# Altium PCB PCB.PcbDoc
Units mm, origin at the board's own origin, x right, y up, seen from the top; angles counter-clockwise.
Board outline 82.55 x 56.77 mm, 4 copper layers (Top Layer, L2 - GND, L3 - POWER, Bottom Layer), stack 0.603 mm thick; 56 components, 32 nets, 200 pads, 35 vias.
Unrouted connection lines stored in the file: 5.
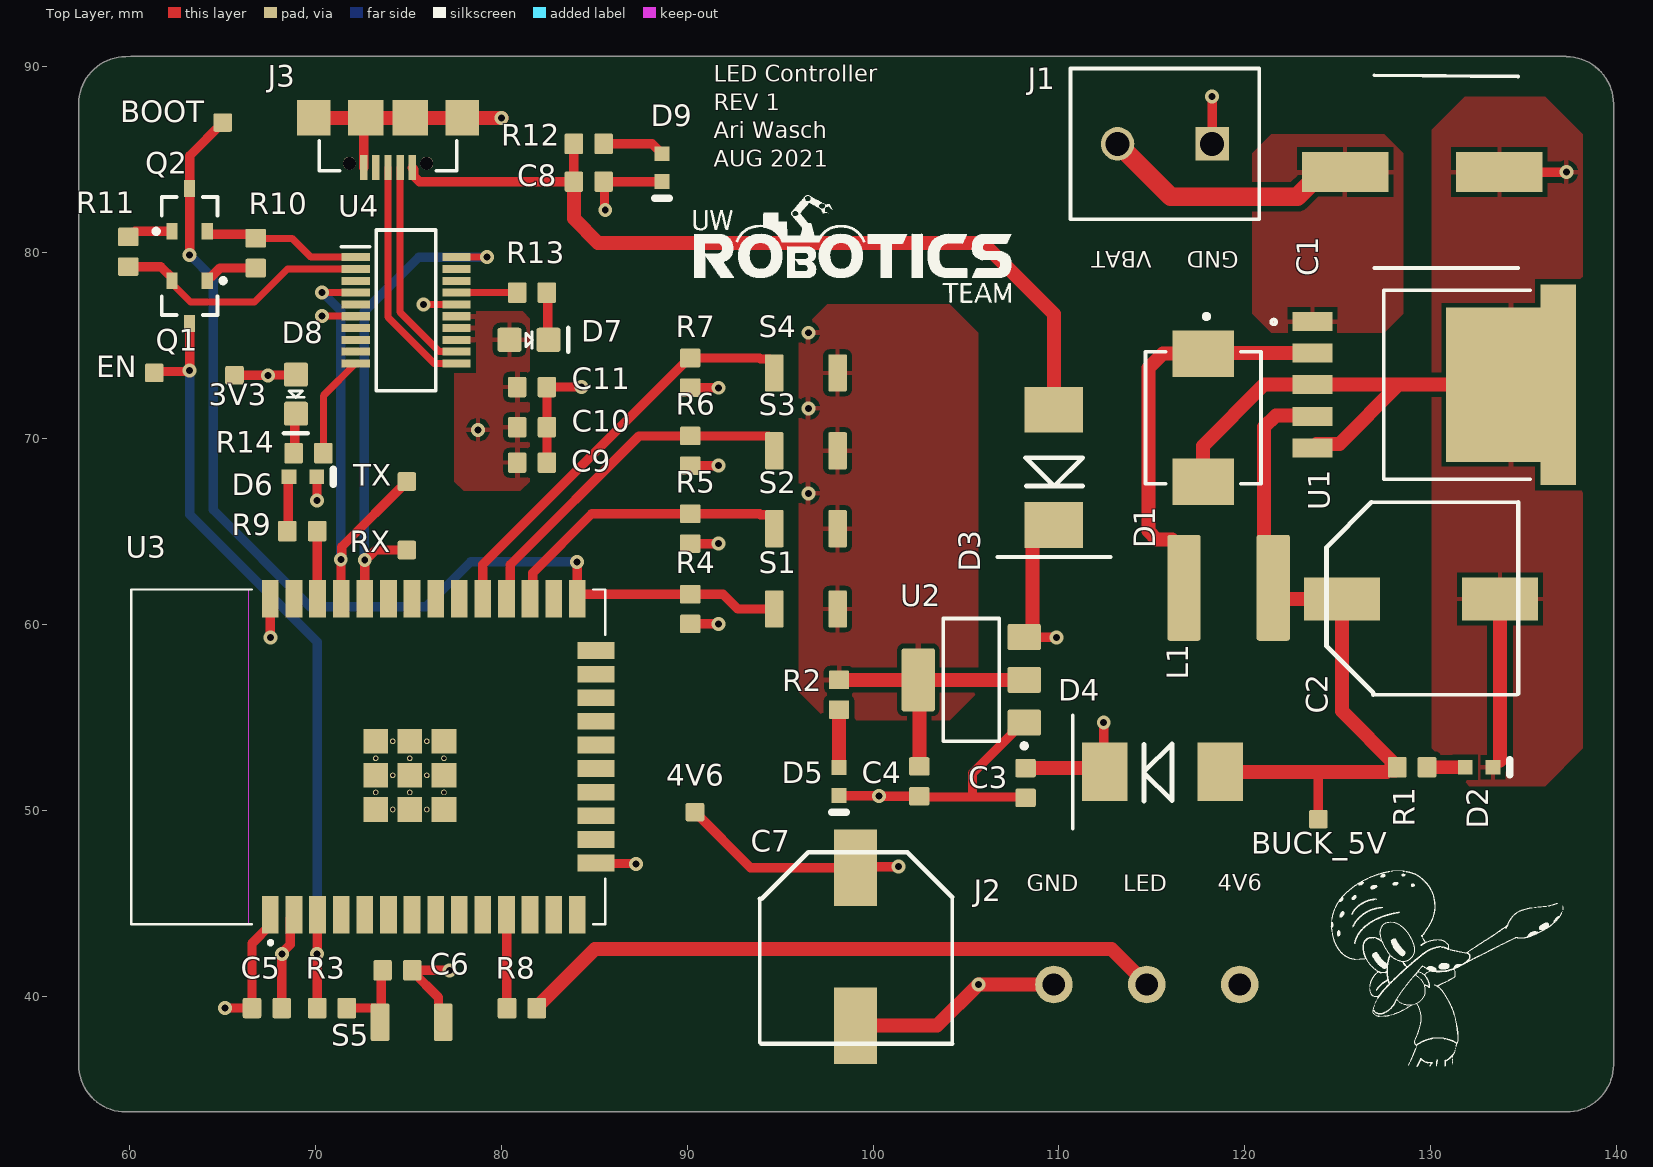
[diagram p0: Top Layer view]
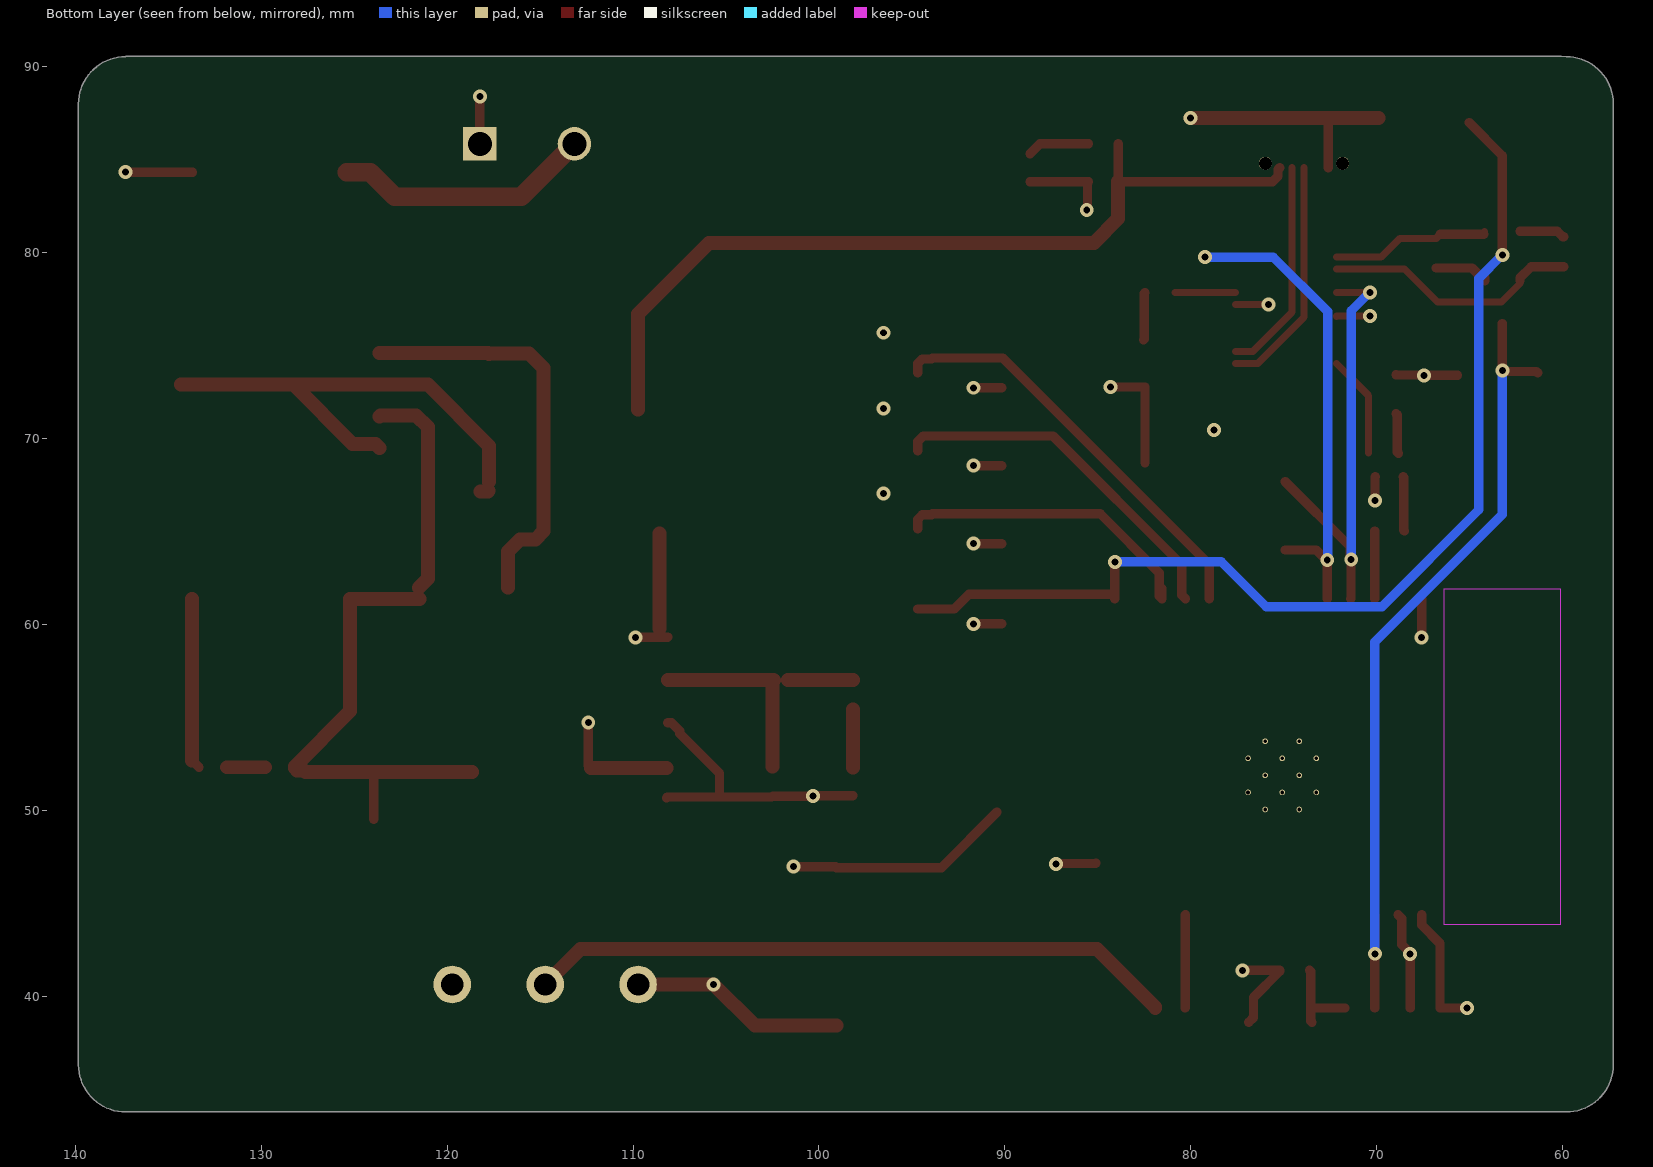
[diagram p1: Bottom Layer view, seen from below]
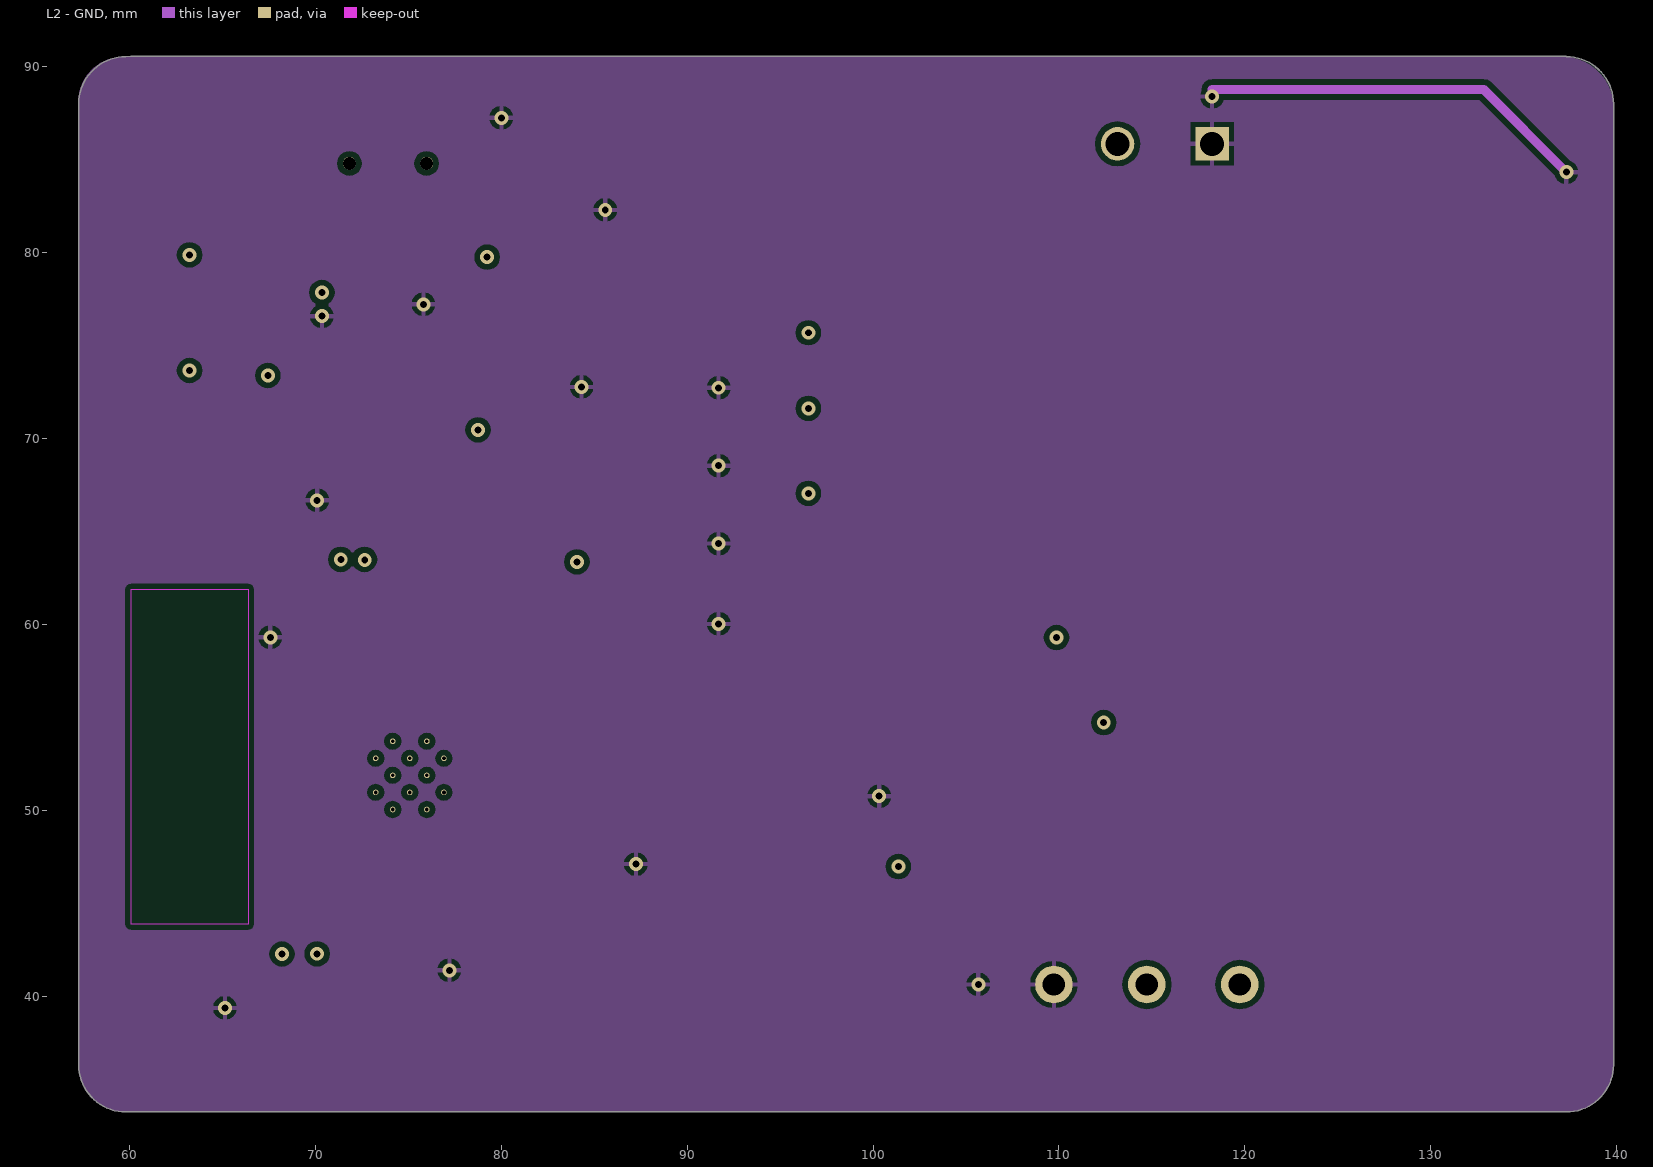
[diagram p2: L2 - GND]
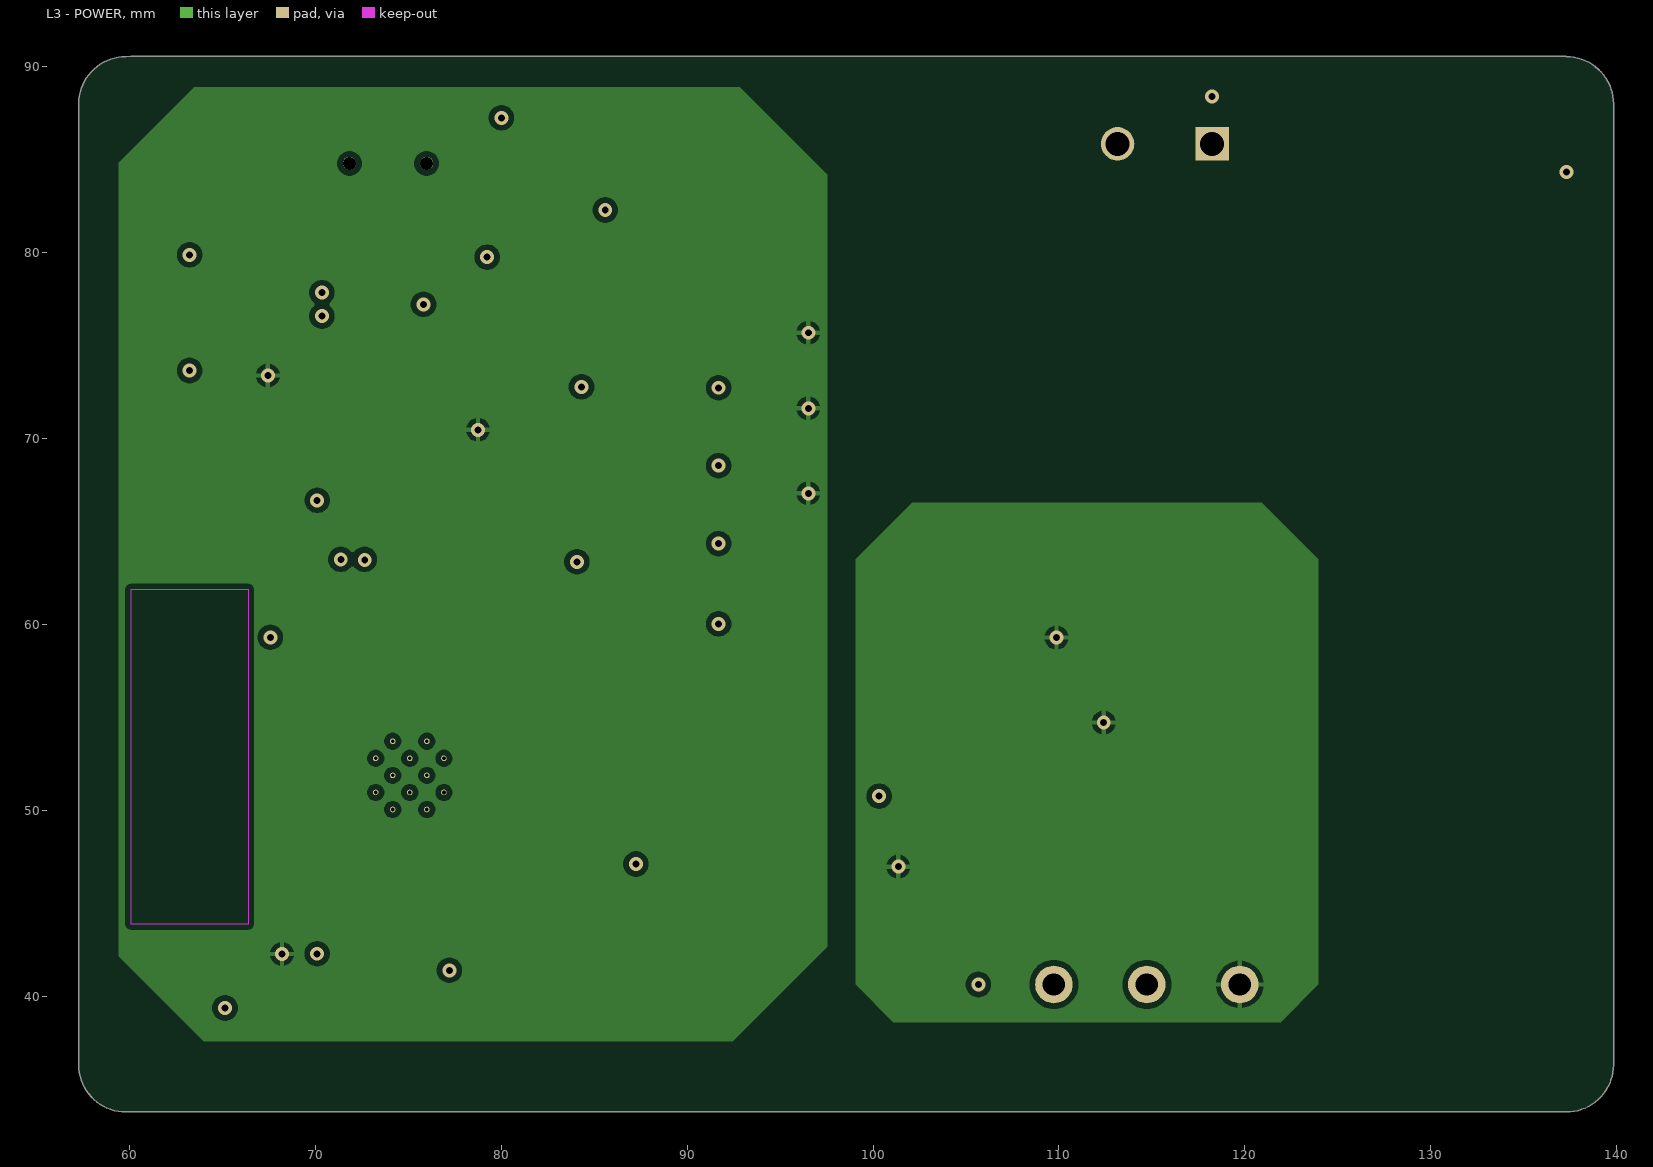
[diagram p3: L3 - POWER]
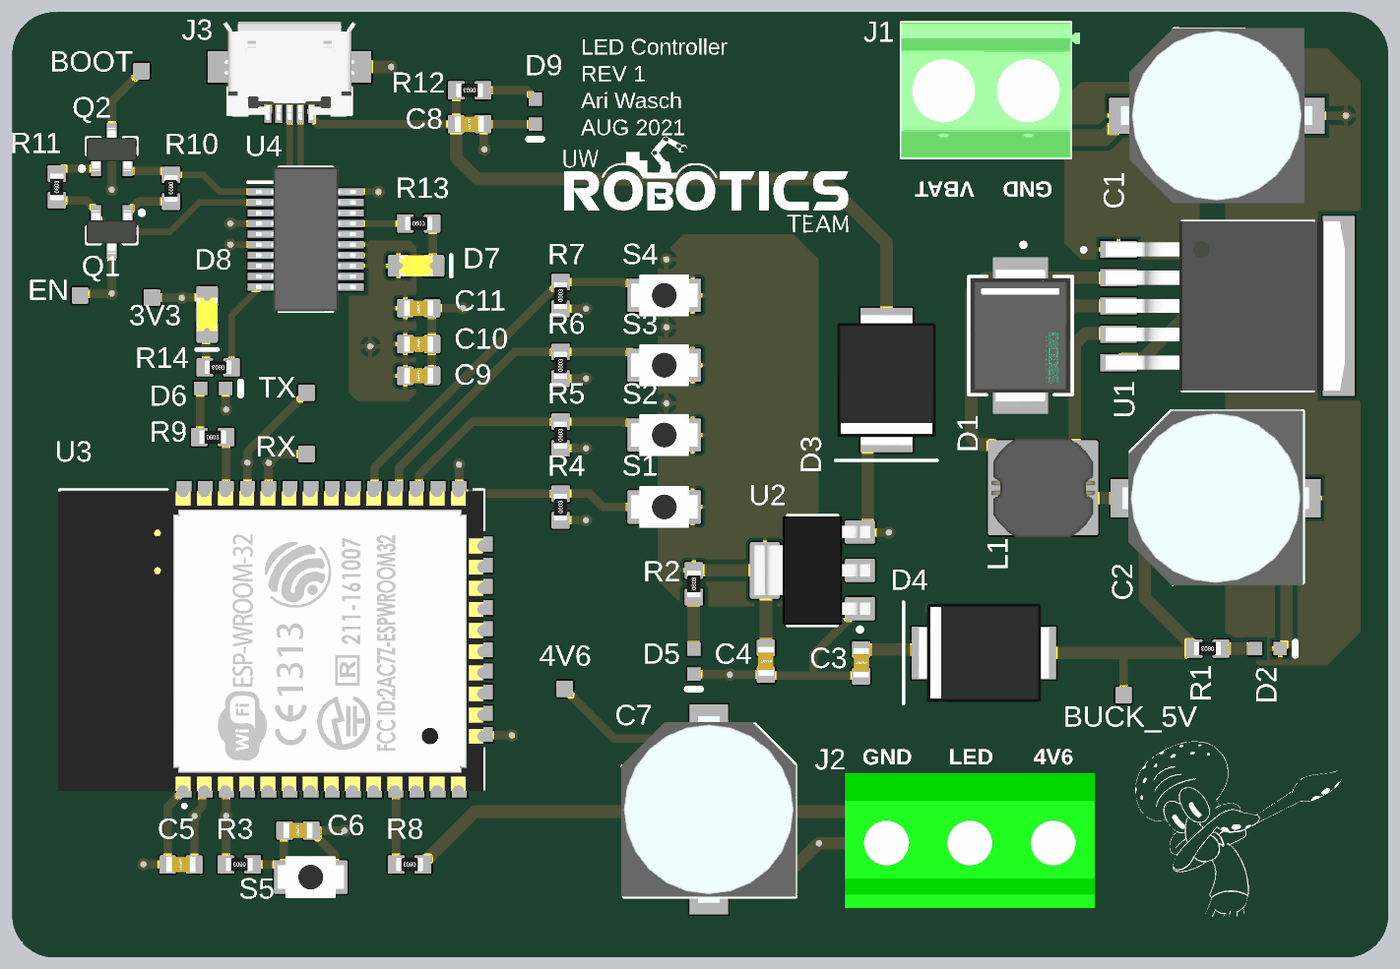
[diagram p4: 3D render of the assembled board from above, using the file's embedded part models]

## Layer stack, top to bottom
Top Solder: solder mask 0.0102, Solder Resist, Dk 3.5
Top Layer: signal copper 0.0356
Dielectric 2: prepreg 0.0711, PP-006, Dk 4.1
L2 - GND: signal copper 0.035
Dielectric 1: dielectric 0.32, FR-4, Dk 4.8
L3 - POWER: signal copper 0.035
Dielectric 3: prepreg 0.0711, PP-006, Dk 4.1
Bottom Layer: signal copper 0.0356
Bottom Solder: solder mask 0.0102, Solder Resist, Dk 3.5

## Board outline
57.277,36.322 ccw(c59.817,36.322) 59.817,33.782 137.287,33.782 ccw(c137.287,36.322) 139.827,36.322 139.827,87.757 139.827,88 ccw(c137.287,88) 137.287,90.54 137.287,90.551 60.071,90.551 59.817,90.54 ccw(c59.817,88) 57.277,88 57.277,88.011

## Design rules (kind name [scope] priority, off if disabled: settings)
Clearance [All] p1: gap=0.3 ignorepadtopadclearanceinfootprint=FALSE except(0.15: Arc-Arc Arc-Track Arc-SMDPad Track-Track Track-SMDPad SMDPad-SMDPad)
PolygonConnect [All] p1: connectstyle=Relief reliefconductorwidth=0.254 reliefentries=4 polygonreliefangle="90 Angle" airgapwidth=0.254
RoutingVias [All] p1: holewidth=0.3 width=0.6 viastyle="Through Hole" minholewidth=0.3 minwidth=0.6 maxholewidth=0.3 maxwidth=0.6
SolderMaskExpansion [All] p1: expansion=0.102 istentingtop=FALSE
Width [All] p1: maxlimit=1 minlimit=0.3 preferedwidth=0.5
30 further rules are at their usual default settings.

## Classes and differential pairs
component class USB: C8 C9 C10 C11 D7 D8 D9 J3 Q1 Q2 R10 R11 R12 R13 R14 RX TX U4
component class Power: 3V3 4V6 BUCK_5V C1 C2 C3 C4 D1 D2 D3 D4 D5 J1 L1 R1 R2 U1 U2
component class MCU: BOOT C5 C6 C7 D6 EN J2 R3 R4 R5 R6 R7 R8 R9 S1 S2 S3 S4 S5 U3

## Components (designator, comment, footprint, x,y, rotation, side; value= is the part's Value field where it differs from the comment)
3V3 "TESTPOINT_1MM_SQUARE" TESTPOINT_SQUARE_1MM 65.659,73.406 r90 top (schematic designator TP2)
4V6 "TESTPOINT_1MM_SQUARE" TESTPOINT_SQUARE_1MM 90.424,49.911 r0 top (schematic designator TP3)
BOOT "TESTPOINT_1MM_SQUARE" TESTPOINT_SQUARE_1MM 65.024,86.995 r270 top (schematic designator TP4)
BUCK_5V "TESTPOINT_1MM_SQUARE" TESTPOINT_SQUARE_1MM 123.952,49.53 r180 top (schematic designator TP1)
C1 "CAP_470uF_35V_ALUM" CAPAE1030X1100N 129.54,84.328 r0 top
C2 "220uF" CAP220uF35V8.2x10 129.828,61.266 r0 top
C3 "CAP_4.7uF_35V_0603" CAP0603 108.204,51.473 r90 top value=4.7μF
C4 "CAP_4.7uF_35V_0603" CAP0603 102.489,51.567 r90 top value=4.7μF
C5 "CAP_0.1uF_16V_0603" CAP0603 67.399,39.37 r0 top value=0.1μF
C6 "CAP_0.1uF_16V_0603" CAP0603 74.422,41.402 r180 top value=0.1μF
C7 "CAP_1000uF_16V_ALUM" CAPAE1030X1050N 99.06,42.672 r270 top
C8 "CAP_10nF_50V_0603" CAP0603 84.709,83.82 r0 top value=10nF
C9 "CAP_0.1uF_16V_0603" CAP0603 81.661,68.707 r180 top value=0.1μF
C10 "CAP_0.1uF_16V_0603" CAP0603 81.661,70.612 r180 top value=0.1μF
C11 "CAP_0.1uF_16V_0603" CAP0603 81.661,72.771 r180 top value=0.1μF
D1 "B550C-13-F" FP-SMC-MFG 117.762,71.12 r270 top
D2 "HSMG-C190" AVAG-HSMX-C190_V 132.6,52.324 r0 top
D3 "DIO_SCHOTTKY_40V_5A" "DO214AB SMC" 109.728,68.453 r270 top
D4 "DIO_SCHOTTKY_40V_5A" "DO214AB SMC" 115.57,52.07 r180 top
D5 "HSMG-C190" AVAG-HSMX-C190_V 98.171,51.55 r270 top
D6 "HSMG-C190" AVAG-HSMX-C190_V 69.33,67.945 r0 top
D7 "LED_YELLOW" LED_0805_YELLOW 81.5,75.311 r0 top
D8 "LED_YELLOW" LED_0805_YELLOW 68.961,72.39 r270 top
D9 "HSMG-C190" AVAG-HSMX-C190_V 88.646,84.57 r270 top
EN "TESTPOINT_1MM_SQUARE" TESTPOINT_SQUARE_1MM 61.341,73.533 r90 top (schematic designator TP5)
J1 "1729128" PHOE-1729128-2_V 115.697,85.852 r180 top
J2 "WJ127-5.0-3P" WJ127-5.0-3P 114.728,40.64 r180 top
J3 "10118192-0001LF" 629105136821 73.914,87.249 r180 top
L1 "IND_33uH_1.45A" IND_CKCS6045 119.126,61.976 r0 top
Q1 "NPN_25V_500mA" SOT23-3 63.246,77.343 r270 top
Q2 "NPN_25V_500mA" SOT23-3 63.246,82.296 r90 top
R1 "RES_1kΩ_0603_5%" RES0603 129.794,52.324 r180 top value=1kΩ
R2 "RES_1kΩ_0603_5%" RES0603 98.171,55.423 r90 top value=1kΩ
R3 "RES_1kΩ_0603_5%" RES0603 71.704,39.37 r180 top value=1kΩ
R4 "RES_1kΩ_0603_5%" RES0603 90.17,60.033 r90 top value=1kΩ
R5 "RES_1kΩ_0603_5%" RES0603 90.17,64.351 r90 top value=1kΩ
R6 "RES_1kΩ_0603_5%" RES0603 90.17,68.542 r90 top value=1kΩ
R7 "RES_1kΩ_0603_5%" RES0603 90.17,72.733 r90 top value=1kΩ
R8 "470R 1%" RESC0603 81.915,39.37 r180 top value=470Ω
R9 "RES_1kΩ_0603_5%" RES0603 68.504,65.024 r0 top value=1kΩ
R10 "RES_12kΩ_0603" RESC0603 66.802,80.772 r270 top value=12kΩ
R11 "RES_12kΩ_0603" RESC0603 59.944,79.248 r90 top value=12kΩ
R12 "RES_1kΩ_0603_5%" RES0603 85.509,85.852 r180 top value=1kΩ
R13 "RES_270Ω_0603_1%" RES0603 80.861,77.851 r0 top value=270Ω
R14 "RES_270Ω_0603_1%" RES0603 70.434,69.215 r180 top value=270Ω
RX "TESTPOINT_1MM_SQUARE" TESTPOINT_SQUARE_1MM 74.93,64.008 r0 top (schematic designator TP7)
S1 "SW_SPST_NO" B3U-1000P 96.393,60.833 r180 top
S2 "SW_SPST_NO" B3U-1000P 96.393,65.151 r180 top
S3 "SW_SPST_NO" B3U-1000P 96.393,69.342 r180 top
S4 "SW_SPST_NO" B3U-1000P 96.393,73.533 r180 top
S5 "SW_SPST_NO" B3U-1000P 75.184,38.608 r180 top
TX "TESTPOINT_1MM_SQUARE" TESTPOINT_SQUARE_1MM 74.93,67.691 r0 top (schematic designator TP6)
U1 "LM2596R-5.0" LM2596S-5.0 128.102,73.152 r180 top
U2 "LDO_3.3V_1A" ZLDO1117G33TA 105.283,57.023 r180 top
U3 "ESP32-WROOM-32E" ESP32-WROOM-32E 72.846,52.886 r90 top
U4 "FT231XS-R" SOP64P599X175-20N 74.885,76.898 r0 top

## Footprints (in the part's own frame and the unit in brackets; to place one, negate y for a bottom-side part, rotate by r counter-clockwise, add the part's x,y. Pads: shape width x height; smd on the part's side, far side on the other; paste and mask are expansions set on the pad)
629105136821 [mm] "Micro USB 2.0 SMT Type B Horizontal 5 Contacts"
  rect 0.4x1.35 smd: 1(-1.3,2.675) 2(-0.65,2.675) 3(0,2.675) 4(0.65,2.675) 5(1.3,2.675)
  round 0.7 hole 0.7 unplated: MH1(-2.075,2.45) MH2(2.075,2.45)
  rect 1.8x1.9 smd: Shell(-4,0) Shell(4,0)
  rect 1.9x1.9 smd: Shell(-1.2,0) Shell(1.2,0)
  silkscreen extent -3.7,1.25 3.7,2.85, body extent -4,-2.73 4,3.17, height 2.69
AVAG-HSMX-C190_V [mm] "SMD, 2-Leads, Body 1.6x0.8mm, Height 0.9mm"
  rect 0.8x0.8 smd: 1(-0.75,0) 2(0.75,0)
  silkscreen extent 1.65,-0.4 1.65,0.4, body extent -0.8,-0.4 0.8,0.4, height 0.9
B3U-1000P [mm] "TACTILE SWITCH GREY"
  rrect15% 1x2 smd: 1(-1.7,0) 2(1.7,0)
  body extent -2,-1.25 2,1.25, height 1.6
CAP220uF35V8.2x10 [mm]
  rect 4.1x2.3 smd: 1(-4.606,0.102) 2(3.894,0.102)
  silkscreen extent -5.44,-5.05 4.87,5.31, body extent -5.96,-5.15 5.24,5.35, height 10.5
CAP0603 [mm]
  rrect20% 1x1.1 smd: 1(-0.8,0) 2(0.8,0)
  body extent -0.87,-0.48 0.88,0.48, height 0.87
CAPAE1030X1050N [mm]
  rect 4.1x2.3 smd: 1(-4.25,0) 2(4.25,0)
  silkscreen extent -5.08,-5.15 5.23,5.21, body extent -5.6,-5.25 5.6,5.25, height 10.5
CAPAE1030X1100N [mm]
  rect 4.65x2.15 smd: 1(-4.15,0) 2(4.15,0)
  silkscreen extent -2.58,-5.15 5.15,5.21, body extent -5.75,-5.25 5.75,5.25, height 11
"DO214AB SMC" [mm] "Molded Diode, 2-Leads, Body 6.85x5.90mm, IPC Medium Density"
  rect 2.45x3.15 smd: 1(-3.1,0) 2(3.1,0)
  silkscreen extent -0.52,-3.05 4.83,3.05, body extent -3.97,-2.95 3.97,2.95, height 2.6
ESP32-WROOM-32E [mm]
  rect 2x0.9 smd: 1(-8.5,5.26) 2(-8.5,3.99) 3(-8.5,2.72) 4(-8.5,1.45) 5(-8.5,0.18) 6(-8.5,-1.09) 7(-8.5,-2.36) 8(-8.5,-3.63) 9(-8.5,-4.9) 10(-8.5,-6.17) 11(-8.5,-7.44) 12(-8.5,-8.71) 13(-8.5,-9.98) 14(-8.5,-11.25) 25(8.5,-11.25) 26(8.5,-9.98) 27(8.5,-8.71) 28(8.5,-7.44) 29(8.5,-6.17) 30(8.5,-4.9) 31(8.5,-3.63) 32(8.5,-2.36) 33(8.5,-1.09) 34(8.5,0.18) 35(8.5,1.45) 36(8.5,2.72) 37(8.5,3.99) 38(8.5,5.26)
  rect 0.9x2 smd: 15(-5.715,-12.25) 16(-4.445,-12.25) 17(-3.175,-12.25) 18(-1.905,-12.25) 19(-0.635,-12.25) 20(0.635,-12.25) 21(1.905,-12.25) 22(3.175,-12.25) 23(4.445,-12.25) 24(5.715,-12.25)
  rect 1.33x1.33 smd: 39_1(-2.835,-0.405) 39_2(-1,-0.405) 39_3(0.835,-0.405) 39_4(-2.835,-2.24) 39_5(-1,-2.24) 39_6(0.835,-2.24) 39_7(-2.835,-4.075) 39_8(-1,-4.075) 39_9(0.835,-4.075)
  round 0.3 hole 0.2: 39_10(-1.917,-0.405) 39_11(-0.082,-0.405) 39_12(-2.835,-1.322) 39_13(-1,-1.322) 39_14(0.835,-1.322) 39_15(-1.917,-2.24) 39_16(-0.082,-2.24) 39_17(-2.835,-3.157) 39_18(-1,-3.157) 39_19(0.835,-3.157) 39_20(-1.917,-4.075) 39_21(-0.082,-4.075)
  Keep-Out Layer region: 9,6.45 -9,6.45 -9,12.75 9,12.75
  Keep-Out Layer region: 9,6.45 -9,6.45 -9,12.75 9,12.75
  silkscreen extent -10.1,-12.75 9,12.75, body extent -9.11,-12.69 8.89,12.81, height 2.91
FP-SMC-MFG [mm]
  rect 2.5x3.3 smd paste+0 mask+0: 1(-3.45,0) 2(3.45,0)
  silkscreen extent -5.57,-3.11 3.55,3.11, body extent -4.8,-3.21 4.8,3.21, height 0.25
IND_CKCS6045 [mm]
  rrect15% 1.8x5.7 smd: 1(-2.4,0) 2(2.4,0)
  body extent -3.15,-3 3.15,3, height 4.5
LED_0805_YELLOW [mm] "SMD, 2-Leads, Body 2x1.25mm"
  rrect20% 1.3x1.3 smd: 1(-1.05,0) 2(1.05,0)
  silkscreen extent -0.18,-0.64 2.11,0.64, body extent -1,-0.62 1,0.63, height 1.12
LM2596S-5.0 [mm]
  rect 2.16x1.02 smd: 1(4.46,-3.146) 2(4.46,-1.446) 3(4.46,0.254) 4(4.46,1.954) 5(4.46,3.654)
  rect 6.99x8.33 smd: 6(-6.215,0.254)
  rect 1.91x1.235 smd: 7(-8.755,5.036) 8(-8.755,-4.528)
  silkscreen extent -7.24,-4.83 6.68,5.33, body extent -9.12,-4.83 5.23,5.33, height 4.57
PHOE-1729128-2_V [mm] "Receptacle, 2-Leads, Body 8.1x10.16mm, Pitch 5.08mm"
  rect 1.8x1.8 hole 1.3: 1(-2.54,0)
  round 1.8 hole 1.3: 2(2.54,0)
  silkscreen extent -5.08,-4.05 5.08,4.05, body extent -5.65,-4.05 5.08,4.05, height 10.01
RES0603 [mm] "Chip Resistor, Body 1.6x0.8mm, IPC Medium Density"
  rrect15% 1x1.1 smd: 1(0,0) 2(1.6,0)
  body extent 0,-0.4 1.6,0.4, height 0.46
RESC0603 [mm] "Chip Resistor, Body 1.6x0.8mm, IPC Medium Density"
  rrect15% 1x1.1 smd: 1(0,0) 2(1.6,0)
  body extent 0,-0.4 1.6,0.4, height 0.46
SOP64P599X175-20N [mm]
  rect 1.526x0.435 smd: 1(-2.712,2.858) 2(-2.712,2.222) 3(-2.712,1.588) 4(-2.712,0.952) 5(-2.712,0.318) 6(-2.712,-0.318) 7(-2.712,-0.952) 8(-2.712,-1.588) 9(-2.712,-2.222) 10(-2.712,-2.858) 11(2.712,-2.858) 12(2.712,-2.222) 13(2.712,-1.588) 14(2.712,-0.952) 15(2.712,-0.318) 16(2.712,0.318) 17(2.712,0.952) 18(2.712,1.588) 19(2.712,2.222) 20(2.712,2.858)
  silkscreen extent -3.47,-4.32 1.6,4.32, body extent -3,-4.32 3,4.32, height 1.75
SOT23-3 [mm] "SOT23, 3-Leads, Body 2.90x2.30mm, Pitch 0.95mm, IPC Medium Density"
  rect 0.9x0.6 smd: 1(-1.15,0.95) 2(-1.15,-0.95) 3(1.15,0)
  silkscreen extent -1.27,-1.5 0.7,1.93, body extent -1.3,-1.5 1.3,1.5, height 1.1
TESTPOINT_SQUARE_1MM [mm]
  rrect20% 1x1 smd: 1(0,0)
WJ127-5.0-3P [mm] "3 pin screw terminal"
  round 2.02 hole 1.2: 1(-5,0) 2(0,0) 3(5,0)
  body extent -7.5,-4.22 7.5,3.88, height 10.1
ZLDO1117G33TA [mm] "SOT223, 4-Leads, Body 6.50x7.00mm (avg), Pitch 2.30mm, IPC Medium Density"
  rrect15% 1.8x1.4 smd: 1(-2.85,2.3) 2(-2.85,0) 3(-2.85,-2.3)
  rrect15% 1.8x3.4 smd: 2(2.85,0)
  silkscreen extent -2.98,-3.3 1.5,3.67, body extent -3.48,-3.25 3.48,3.25, height 1.65

## Part data
3V3 4V6 BOOT BUCK_5V EN RX TX: "TESTPOINT 1MM SQUARE"
C1: "CAP ALUM 470uF 20% 35V SMD", Capacitance=470uF, LCSC Number=C72519, Manufacturer 1=ROQANG, Manufacturer Part Number 1=RVT1V471M1010, Voltage=35V, Datasheet Link=https://datasheet.lcsc.com/szlcsc/2004031004_ROQANG-RVT1V471M1010_C72519.pdf, Height=11mm
C2: library part CAP_220uF_35V_ALUM, "220uF 35V Cap", Capacitance="220 uF", LCSC Number=C310848, Manufacturer 1=KNSCHA, Manufacturer Part Number=RVT220UF35V67RV0024, Package=8x10.2mm, Voltage=35V, Supplier 1=LCSC
C3 C4: "CAP CER 4.7UF 35V X6S 0603", Dielectric=X5R, LCSC Number=C329940, Manufacturer 1=TDK, Manufacturer Part Number 1=C1608X5R1V475KT000E, Package/Footprint=0603, Voltage Rating=35V, Mounting Type=SMD, Supplier 1=LCSC
C5 C6 C9 C10 C11: "CAP CER 0.1UF 16V X7R 0603", Dielectric=X7R, LCSC Number=C108079, Manufacturer 1=Yageo, Manufacturer Part Number 1=CC0603KRX7R7BB104, Package/Footprint=0603, Supplier Part Number 1=311-1088-1-ND, Voltage Rating=16V, Supplier 1=Digi-Key
C7: "CAP ALUM 1000uF 20% 16V SMD", Capacitance=1000uF, LCSC Number=C249474, Manufacturer=Lelon, Manufacturer Part Number 1=VE-102M1CTR-1010, Tolerance=20%, Voltage=16V, Datasheet Link=https://datasheet.lcsc.com/szlcsc/1811051743_Lelon-VE-102M1CTR-1010_C249474.pdf, Height=10.5mm
C8: "CAP CER 10nF 50V X7R 0603", Dielectric=X7R, LCSC Number=C100042, Manufacturer 1=YAGEO, Manufacturer Part Number 1=CC0603KRX7R9BB103, Voltage Rating=50V, Supplier 1=LCSC
D1: library part CMP-2000-05906-2, "DIODE SCHOTTKY 50V 5A SMC", Average Rectified Current=5A, Capacitance=300pF, Case/Package=SMC, Forward Voltage=700mV, LCSC Number=C134461, Max Forward Surge Current (Ifsm)=100A, Max Operating Temperature=125°C, Max Repetitive Reverse Voltage (Vrrm)=50V, Min Operating Temperature=-55°C, Package Quantity=3000, Peak Reverse Current=500uA, Contact Plating=Tin, Current Rating=5A, Element Configuration=Single, Forward Current=5A, Height=2.5mm, Lead Free="Lead Free", Length=7.11mm, Max Reverse Voltage (DC)=50V, Mount="Surface Mount", Number of Pins=2, Output Current=5A, Packaging="Tape and Reel", Peak Non-Repetitive Surge Current=100A, Polarity=Standard, Radiation Hardening=No, REACH SVHC="No SVHC", Termination=SMD/SMT, Voltage Rating (DC)=50V, Weight=0.007408oz, Width=6.22mm
D2 D5 D6 D9: library part CMP-1744-00002-1, "Chip LED, Green, 2.2 V, -40 to 85 degC, 2-Pin SMD, RoHS, Tape and Reel", Case\Package=SOIC, Clock Frequency="100 KHz", Frequency="400 KHz", LCSC Number=C188729, Max Operating Temperature="85 degC", Max Supply Voltage="5.5 V", Min Operating Temperature="-40 degC", Min Supply Voltage="1.7 V", Nominal Supply Current="2 mA", Package Quantity=3000, Access Time="3500 ns", ComponentLink1Description="Manufacturer URL", ComponentLink1URL=http://www.avagotech.com/, ComponentLink2Description=Datasheet, ComponentLink2URL=http://docs.avagotech.com/docs/AV02-0551EN, ComponentLink3Description="Package Specification", ComponentLink3URL=http://www.fairchildsemi.com/dwg/MA/MA03D.pdf, DatasheetVersion=Mar-12, Density="32 kb", Height="1.5 mm", Interface=Serial, Length="5 mm", Max Clock Frequency="100 KHz", Mount="Surface Mount", PackageDescription="2-Pin Surface Mount Device, Body 1.6 x 0.8 mm, Height 0.9 mm", PackageReference=HSMX-C190, Packaging="Tape and Reel", Pins=8, Radiation Hardening=No, REACH SVHC="No SVHC", RoHSCompliant=true, Width="4 mm"
D3 D4: "DIODE SCHOTTKY 40V 5A SMC", Capacitance=300pF, Current=5A, Forward Voltage=550mV, LCSC Number=C105556, Manufacturer 1=Diodes, Manufacturer Part Number 1=B540CQ-13-F, Max Forward Surge Current (Ifsm)=100A, Max Repetitive Reverse Voltage (Vrrm)=40V, Package/Footprint=SMC, Peak Reverse Current=500uA, Supplier Part Number 1=B540C-FDIDKR-ND, Current Rating=5A, Forward Current=5A, Max Reverse Voltage (DC)=40V, Mounting Type=SMD, Peak Non-Repetitive Surge Current=100A, Supplier 1=Digi-Key, Voltage=40V, Voltage Rating (DC)=40V
D7 D8: "LED YELLOW DIFFUSED 0805 SMD", Forward Voltage Drop=2.2V, LCSC Number=C122984, Manufacturer 1="Everlight Elec", Manufacturer Part Number 1=SML-310MTT86, Package="0805 (2012 Metric)", Supplier 1=LCSC
J1: library part CMP-2000-05815-1, "PCB Terminal Block, 13.5 A, 400 V, 2-Pin THD, RoHS, Bulk", Current Rating=13500mA, LCSC Number=C91153, Manufacturer="Phoenix Contact", Package Description="2-Pin Through Hole Device, Body 8.1 x 10.16 mm, Pitch 5.08 mm", Package Reference=1729128-2, Package Version=03/2015, Voltage Rating=400V, Datasheet URL=https://datasheet.ciiva.com/16046/1729128-16046181.pdf, Datasheet Version=12/2013, Manufacturer URL=http://www.phoenixcontact.com/, Mounting Technology=ThroughHole, No. of Positions=2, No. of Rows=1, Orientation=Horizontal, Package URL=https://www.phoenixcontact.com/online/portal/pi/pxc/product_detail_page/!ut/p/b1/3VdJjqNKFDxLH8AFycySyWY2ozFsEPOMMQaDOX1XedGL_1Vdm5YXJleknhSKeBkvI6EA8ncAo3AYoDhBQGco6KN7VURTdemj9us_IEKEZo_YHiPAEWEFmDGOHMORkqKYCORBZxgL7ZoaZYcbFFUZ3fqxSY6GOuxydWUuHqz1ynmMFygu583Bob0Ewr6Sd_l-5m-kAueHiB0jpRwZwe58wwtkpxtMYd_LmGcDRU02dRNEyWt6Y2ti5pSyJ_reIkzIulrqApdnbT11V5jnCKbYNCvhEM1MCpPByat_X379-iThf08CI5GfOPqfBeS3BRoBOdD55AKVv0iLwCMq-2BrzXWSGRH7pUGD9uwXQjiph3xL0DKQwdGa0JImiIOmBNOestqgwTHSSs2oOep-78apyXQBvNi8ZLaFjvjWvcaUEBu0MC6Wbe-d6mB0FAebo2lUWinqYaZs5DAYzV0RP9yitUjnGJ0iI9xhZkT42OCQNUJJhkgWINNQLP2JFP6OpMg3JCVg70jqHT0lvKOnhHf0lPuOnnLf0VPuWx6_dxwUIvwk5WMkT0kLL1mh61l2yZVSzG3pYV_bqo-mj6uMKwKwdnnW8Jh5RTOJzMOA5c-eJDaZQw4mTMPH02PvS_ZAqNVjVTo2WyYLkwH_KU1mmmG5kjRhDqPXLwwVHvVOjCM60-fpXvTDfMGW1PVFVS1r4e4yVDk4ZdNbkUHvqPqQSeian4UD39fNKmachqdJ1NJbyk8rXT9mXTvPk3oE5meulKGgiruPJek-4I9hTT6G8ZLOyRSm2RRVbThERQad5OS28hdt4YW4vG0stgYYzsWsK4_7y6DZMjJSCqri1kyiZR5vD7pwIrNR7QwPHTcLTI5qT7eRlpHrdGiupYlqQDJ7zy_CND8fWWBoLRXxk1RVcXiBQwbTD4Xi7KL-FuO94t9xaqweXzH, Packing=Bulk, PartNumber=1729128, Pitch=5.08mm, RoHS=TRUE
J2: LCSC Number=C8393, Manufacturer 1="Ningbo Kangnex", Datasheet=https://datasheet.lcsc.com/lcsc/2107141401_Ningbo-Kangnex-Elec-WJ127-5-0-3P_C8393.pdf, Manufaturer Part Number 1=WJ127-5.0-3P, Supplier 1=LCSC
J3: library part "WE 629105136821", "CONN RCPT USB2.0 MICRO B SMD R/A", Contact Resistance=30mOhm, LCSC Number=C132564, Manufacturer="Amphenol ICC", Operating Temperature=-40to105degC, Rated Current=1A, Working Voltage=30VAC, Connector Type=MicroUSB2.0TypeB, Datasheet URL=https://datasheet.lcsc.com/lcsc/1811131827_Amphenol-ICC-10118192-0001LF_C132564.pdf, Gender=Receptacle, Manufacturer URL=http://www.we-online.de, Mounting Technology=SMD, Orientation=Horizontal, Package Reference=10118192-0001LF, Part Number=10118192-0001LF
L1: "INDUCTOR 33UH 1.45A SMD ROHS", DC Current=1.45A, DC Resistance (DCR)=137mΩ, Inductance=33μH, LCSC Number=C354635, Manufacturer 1=CENKER, Manufacturer Part Number 1=CKCS6045-33uH, RMS Current (Irms)=1.45A
Q1 Q2: "TRANS NPN 20V 0.5A SOT23", LCSC Number=C444723, Manufacturer 1="Micro Commercial Co", Manufacturer Part Number 1=S8050, Package="TO-236-3, SC-59, SOT-23-3"
R1 R2 R3 R4 R5 R6 R7 R9 R12: "RES 1K OHM 5% 1/10W 0603", LCSC Number=C14676, Manufacturer 1=Yageo, Manufacturer Part Number 1=RC0603JR-071KL, Package/Footprint=0603, Supplier Part Number 1=311-1.0KGRCT-ND, Mounting Type=SMD, Supplier 1=Digi-Key
R8: library part RES_470Ω_0603_1%, "RES 470 OHM 1% 1/10W 0603", LCSC Number=C144657, Manufacturer 1=Yageo, Manufacturer Part Number 1=AC0603FR-07470RL, Supplier Part Number 1=311-470LDCT-ND, Supplier 1=Digi-Key
R10 R11: library part RES_12kΩ_0603_1%, "RES 12K OHM 1% 1/10W 0603", LCSC Number=C163859, Manufacturer 1="Vishay Dale", Manufacturer Part Number 1=CRCW060312K0FKEAC, Manufacturer Part Number 2=WR06X1202FTL, Package=0603, Power=0.1W, Supplier Part Number 1=541-4046-1-ND, Tolerance=1%, Supplier 1=Digi-Key
R13 R14: "RES 270 OHM 1% 1/10W 0603", LCSC Number=C22966, Manufacturer 1="UNI-ROYAL(Uniroyal Elec)", Manufacturer Part Number 1=0603WAF2700T5E, Package=0603, Power=0.1W, Tolerance=±1%
S1 S2 S3 S4 S5: "SWITCH TACTILE SPST-NO 0.05A 12V", LCSC Number=C231329, Manufacturer 1="Omron Electronics Inc-EMC Div", Manufacturer Part Number 1=B3U-1000P, Package/Footprint=SMD, Supplier Part Number 1=SW1020CT-ND, Mounting Type=SMD, Supplier 1=Digi-Key
U1: "IC REG BUCK 5V 3A TO220-5", Current Output=3A, LCSC Number=C77782, Manufacturer 1="HTC Korea TAEJIN Tech", Max Voltage Input=40V, Min Voltage Input=4.5V, Voltage Output=5V, Datasheet=https://lcsc.com/search?q=WJ127-5.0-3P, Manufacturer Part Number 1=LM2596R-5.0, Supplier 1=LCSC
U2: "IC REG LINEAR 3.3V 1A SOT223", Input Voltage (Max)=18V, LCSC Number=C444421, Manufacturer 1="Diodes Incorperated", Manufacturer Part Number 1=ZLDO1117G33TA, Operating Temperature="-40°C - 125°C", Output Current=1A, Output Voltage (Fixed)=3.3V, Package/Footprint=SOT-224, Voltage Dropout (Max)=1.3V@1A, Mounting Type="Surface Mount", Supplier 1=Digi-Key, Supplier Part Number 1=ZLDO1117G33TA
U3: LCSC Number=C529581, Supplier Part Number 1=1965-ESP32-WROOM-32E(16MB)CT-ND, Supplier 1=Digi-Key
U4: "Integrated Circuit", LCSC Number=C132160, Manufacturer_Name="FTDI Chip", Mouser Part Number=895-FT231XS-R, Arrow Part Number=FT231XS-R, Arrow Price/Stock=https://www.arrow.com/en/products/ft231xs-r/ftdi-chip?region=nac, Datasheet Link=http://docs-emea.rs-online.com/webdocs/1102/0900766b811020d3.pdf, Height=1.753mm, Manufacturer_Part_Number=FT231XS-R, Mouser Price/Stock=https://www.mouser.co.uk/ProductDetail/FTDI/FT231XS-R?qs=Gp1Yz1mis3WduRPsgrTbtg%3D%3D

## Via types
v1: diameter 0.75, hole 0.375, Top Layer to Bottom Layer, tented both sides, 35 vias

## Nets (pads, with @x,y where several pads share a name; then routed paths per layer and width w, separated by ;. In a path a pad name is that pad's centre, name@x,y a point inside that pad or via, vN(x,y) a via of type N, cw(c..) or ccw(c..) an arc to the next point about the centre after c; other vN are vias at no path point)
3V3: 3V3.1 C4.2 C5.2 C9.2 C10.2 C11.2 D7.1 D8.1 R2.2 S1.1 S2.1 S3.1 S4.1 U2.2 U3.2 U4.3 U4.13 U4.14 U4.15 | length 22.5
  Top Layer w0.5: 3V3.1 65.666,73.399 67.444,73.399 v1(67.451,73.392) 67.474,73.416 68.937,73.416 D8.1 ; C5.2 68.206,39.377 68.206,42.271 v1(68.213,42.277) 68.213,42.345 68.655,42.788 68.655,44.186 U3.2
  Top Layer w0.75: R2.2 U2.2@101.671,57.023 ; C4.2 102.489,56.927 102.413,57.003 102.433,57.023 U2.2@108.133,57.023
  other v1: 96.52,67.056 78.754,70.471 96.52,71.628 96.52,75.692
4V6: 4V6.1 C3.2 C7.1 D3.2 D4.2 J2.1 U2.3 | length 25.6
  Top Layer w0.5: 4V6.1 93.413,46.922 C7.1 99.114,46.976 v1(101.36,46.976) ; U2.3 108.147,59.309 109.855,59.309 v1(109.869,59.295) ; D4.2@112.267,52.273 112.409,52.415 v1(112.409,54.723)
  Top Layer w0.75: C3.2 D4.2@112.267,52.273 ; U2.3@108.585,59.773 D3.2@108.585,64.897
BUCK_5V0: BUCK_5V.1 C2.1 D4.1 L1.2 R1.2 U1.4 | length 38
  Top Layer w0.5: 123.825,52.07 123.952,51.943 BUCK_5V.1
  Top Layer w0.75: D4.1 123.825,52.07 127.63,52.07 127.709,52.149 128.069,52.149 128.194,52.274 R1.2 128.194,52.374 125.222,55.346 C2.1 L1.2@121.485,61.367 ; L1.2 121.031,62.471 121.031,70.612 121.666,71.247 123.593,71.247 U1.4
GND: C1.2 C2.2 C3.1 C4.1 C5.1 C6.1 C7.2 C8.2 C9.1 C10.1 C11.1 D1.2 D2.2 D5.2 D6.2 D9.2 J1.1 J2.3 J3.5 J3.Shell R4.1 R5.1 R6.1 R7.1 S5.1 U1.3 U1.5 U1.6 U2.1 U3.1 U3.15 U3.38 U4.6 U4.16 | length 140.6
  Top Layer w0.38: v1(70.361,76.584) 70.363,76.582 72.171,76.582 U4.6 ; v1(75.822,77.219) 75.824,77.218 77.595,77.218 U4.16
  Top Layer w0.5: v1(65.146,39.376) 65.149,39.373 66.596,39.373 C5.1 66.599,42.85 67.586,43.836 U3.1 ; v1(67.586,59.312) U3.38 ; D6.2 70.094,67.931 70.094,66.692 v1(70.107,66.678) ; J3.5 72.614,87.149 J3.Shell@72.714,87.249 ; S5.1 76.634,38.858 76.634,39.94 75.222,41.352 C6.1 v1(77.216,41.402) ; C9.1 C10.1 C11.1 82.464,72.774 84.32,72.774 v1(84.323,72.777) ; U3.15 85.122,47.144 87.222,47.144 v1(87.249,47.117) ; v1(85.598,82.296) 85.554,82.34 85.554,83.775 C8.2 D9.2 ; R4.1 v1(91.694,60.033) ; R5.1 v1(91.694,64.351) ; R6.1 v1(91.694,68.542) ; R7.1 v1(91.694,72.733) ; D5.2 98.187,50.784 100.314,50.784 v1(100.33,50.767) C4.1 102.536,50.72 105.346,50.72 ; U2.1 107.933,54.723 107.483,54.273 107.483,54.143 105.346,52.006 105.346,50.72 ; C3.1 108.157,50.72 105.346,50.72 ; J1.1 v1(118.237,88.392) ; D2.2 D2.2@133.722,52.696 ; C1.2 v1(137.287,84.328)
  Top Layer w0.75: J3.Shell@69.914,87.249 72.714,87.249 75.114,87.249 77.914,87.249 77.917,87.252 v1(80.013,87.252) ; C7.2 103.446,38.422 v1(105.664,40.64) J2.3 ; D1.2@117.762,67.195 117.795,67.162 D1.2@118.195,67.162 ; D1.2 117.739,67.693 117.739,69.606 121.031,72.898 U1.3 128.27,72.898 ; U1.5 123.854,69.709 125.081,69.709 128.27,72.898 ; D2.2@133.722,52.696 C2.2 ; U1.6 128.27,72.898
  L2 - GND w0.5: 118.237,88.773 132.842,88.773 v1(137.287,84.328)
LED_DATA: J2.2 R8.1 | length 34.9
  Top Layer w0.75: R8.1 81.915,39.42 85.04,42.545 112.823,42.545 J2.2
NetC6_2: C6.2 R3.1 S5.2 | length 4.6
  Top Layer w0.5: R3.1 73.484,39.37 S5.2@73.49,39.365 ; S5.2 73.553,38.677 73.553,41.333 C6.2
NetD1_1: D1.1 L1.1 U1.2 | length 22.3
  Top Layer w0.75: L1.1 116.726,63.926 116.076,64.576 115.256,64.576 114.808,65.024 114.808,73.787 115.591,74.57 D1.1 ; D1.1@117.741,74.549 D1.1 ; U1.2 117.79,74.598 D1.1
NetD2_1: D2.1 R1.1 | length 2.1
  Top Layer w0.75: R1.1 D2.1
NetD5_1: D5.1 R2.1 | length 3.1
  Top Layer w0.5: R2.1 R2.1@98.183,55.411
  Top Layer w0.75: D5.1 R2.1
NetD6_1: D6.1 R9.1 | length 3
  Top Layer w0.5: R9.1 68.542,65.062 68.542,67.907 D6.1
NetD7_2: D7.2 R13.2 | length 2.6
  Top Layer w0.5: R13.2 82.505,77.806 82.505,75.356 D7.2
NetD8_2: D8.2 R14.2 | length 2.2
  Top Layer w0.5: R14.2 68.897,69.278 68.897,71.276 D8.2
NetD9_1: D9.1 R12.1 | length 3.4
  Top Layer w0.5: R12.1 88.114,85.852 D9.1
NetJ3_2: J3.2 U4.12 | length 11.7
  Top Layer w0.38: J3.2 74.564,76.797 76.668,74.692 77.581,74.692 U4.12
NetJ3_3: J3.3 U4.11 | length 12.8
  Top Layer w0.38: J3.3 73.914,76.528 76.401,74.041 U4.11 U4.11
NetQ1_1: Q1.1 R10.2 | length 3
  Top Layer w0.5: Q1.1 64.196,78.643 64.246,78.693 64.396,78.693 64.875,79.172 R10.2
NetQ1_2: Q1.2 R11.1 U4.2 | length 13.9
  Top Layer w0.38: Q1.2 62.296,78.343 63.296,77.343 66.725,77.343 68.502,79.12 U4.2
  Top Layer w0.5: R11.1 61.691,79.248 62.296,78.643 Q1.2
NetQ1_3: EN.1 Q1.3 R3.2 U3.3 | length 43.7
  Top Layer w0.5: EN.1 61.42,73.612 63.198,73.612 v1(63.246,73.66) Q1.3 ; R3.2 v1(70.104,42.291) 70.115,42.302 70.115,44.375 U3.3
  Bottom Layer w0.5: v1(63.246,73.66) 63.246,65.913 70.104,59.055 v1(70.104,42.291)
NetQ2_1: Q2.1 R11.2 | length 2.5
  Top Layer w0.5: R11.2 59.994,80.848 60.292,81.146 Q2.1
NetQ2_2: Q2.2 R10.1 U4.1 | length 8.6
  Top Layer w0.38: Q2.2 64.196,81.046 Q2.2@64.246,80.996 ; R10.1@66.578,80.996 R10.1 68.748,80.772 69.764,79.756 U4.1
  Top Layer w0.5: Q2.2@64.246,80.996 R10.1@66.578,80.996
NetQ2_3: BOOT.1 Q2.3 R4.2 S1.2 U3.25 | length 57.5
  Top Layer w0.5: v1(63.246,79.883) Q2.3 63.246,85.217 BOOT.1 ; v1(84.074,63.373) 84.085,63.362 84.085,61.397 U3.25 ; U3.25@84.296,61.633 R4.2 91.932,61.633 92.731,60.833 S1.2
  Bottom Layer w0.5: v1(63.246,79.883) 64.516,78.613 64.516,66.167 69.723,60.96 75.946,60.96 78.359,63.373 v1(84.074,63.373)
NetR5_2: R5.2 S2.2 U3.27 | length 16.9
  Top Layer w0.5: U3.27@81.556,61.936 U3.27 81.698,61.528 81.698,62.775 84.874,65.951 R5.2 93.893,65.951 93.943,65.901 94.443,65.901 94.693,65.651 S2.2
NetR6_2: R6.2 S3.2 U3.28 | length 19.6
  Top Layer w0.5: U3.28 80.486,61.586 80.486,63.214 87.414,70.142 R6.2 94.393,70.142 94.693,69.842 S3.2
NetR7_2: R7.2 S4.2 U3.29 | length 22.7
  Top Layer w0.5: U3.29 79.016,63.228 90.12,74.333 R7.2 93.893,74.333 93.943,74.283 94.443,74.283 94.693,74.033 S4.2
NetR8_2: R8.2 U3.11 | length 5
  Top Layer w0.5: U3.11 80.3,44.371 80.3,39.385 R8.2
NetR9_2: R9.2 U3.36 | length 3.6
  Top Layer w0.5: R9.2 70.115,65.013 70.115,61.397 U3.36
NetR13_1: R13.1 U4.17 | length 3.3
  Top Layer w0.38: U4.17 R13.1
NetR14_1: R14.1 U4.10 | length 5.5
  Top Layer w0.38: R14.1 70.434,72.301 U4.10
NetTP6_1: TX.1 U3.35 U4.4 | length 24.4
  Top Layer w0.38: v1(70.361,77.85) U4.4
  Top Layer w0.5: U3.35 71.385,61.397 71.385,63.489 v1(71.374,63.5) 71.422,63.548 71.422,64.183 TX.1
  Bottom Layer w0.5: v1(70.361,77.85) 70.404,77.85 71.374,76.88 v1(71.374,63.5)
NetTP7_1: RX.1 U3.34 U4.20 | length 27.4
  Top Layer w0.38: U4.20 v1(79.248,79.756)
  Top Layer w0.5: U3.34 U3.34 v1(72.663,63.481) v1(72.663,63.481) 72.731,63.481 73.258,64.008 RX.1
  Bottom Layer w0.5: v1(72.663,63.481) 72.644,63.5 72.644,76.835 75.565,79.756 v1(79.248,79.756)
USB_5V0: C8.1 D3.1 J3.1 R12.2 | length 46.3
  Top Layer w0.5: J3.1 75.314,84.474 75.314,84.113 75.607,83.82 C8.1 R12.2
  Top Layer w0.75: C8.1 83.909,81.826 85.217,80.518 105.918,80.518 109.728,76.708 D3.1
VBAT: C1.1 J1.2 U1.1 | length 14
  Top Layer w1: J1.2 116.01,82.999 122.811,82.999 124.14,84.328 C1.1
pads on no net: J3.4 J3.MH1 J3.MH2 U1.7 U1.8 U3.4 U3.5 U3.6 U3.7 U3.8 U3.9 U3.10 U3.12 U3.13 U3.14 U3.16 U3.17 U3.18 U3.19 U3.20 U3.21 U3.22 U3.23 U3.24 U3.26 U3.30 U3.31 U3.32 U3.33 U3.37 U3.39_1 U3.39_2 U3.39_3 U3.39_4 U3.39_5 U3.39_6 U3.39_7 U3.39_8 U3.39_9 U3.39_10 U3.39_11 U3.39_12 U3.39_13 U3.39_14 U3.39_15 U3.39_16 U3.39_17 U3.39_18 U3.39_19 U3.39_20 U3.39_21 U4.5 U4.7 U4.8 U4.9 U4.18 U4.19

## Polygon pours and split planes (outlines as drawn)
VBAT on Top Layer "VBAT_L01_p01" (solid, pour order 6): 127.508,75.692 128.524,76.708 128.524,85.344 127.508,86.36 121.412,86.36 120.396,85.344 120.396,76.708 121.412,75.692
GND on Top Layer "GND_L01_P05" (solid, pour order 9): 130.048,53.34 132.08,51.308 136.144,51.308 138.176,53.34 138.176,86.36 136.144,88.392 131.826,88.392 130.048,86.614
3V3 on Top Layer "3V3_L01_P03" (solid, pour order 4): 104.14,54.864 97.536,54.864 96.012,56.388 96.012,75.692 97.536,77.216 104.14,77.216 105.664,75.692 105.664,56.388
3V3 on Top Layer "3V3_L01_P04" (solid, pour order 5): 77.47,76.453 77.852,76.835 81.153,76.835 81.534,76.454 81.534,67.691 81.026,67.183 77.978,67.183 77.47,67.691
3V3 on L3 - POWER "3V3_L03_P07" (solid, pour order 12): 59.436,42.164 64.008,37.592 92.456,37.592 97.536,42.672 97.536,84.201 92.837,88.9 63.5,88.9 59.436,84.836
4V6 on L3 - POWER "4V6_L03_P6" (solid, pour order 11): 121.92,38.608 123.952,40.64 123.952,63.5 120.904,66.548 102.108,66.548 99.06,63.5 99.06,40.64 101.092,38.608
GND on L2 - GND "GND_L02_P02" (solid, pour order 7): 57.277,36.322 ccw(c59.817,36.322) 59.817,33.782 137.287,33.782 ccw(c137.287,36.322) 139.827,36.322 139.827,87.757 ccw(c137.033,87.757) 137.033,90.551 59.597,90.53 ccw(c59.7,88.107) 57.277,88

## Silkscreen, mask and mechanical layers (free items; w line width, h text height)
Top Overlay:
  drawing of 68 lines, arcs and shapes, not listed
  text "LED Controller / REV 1 / Ari Wasch / AUG 2021" at 91.44,84.328 h1.52
  text "VBAT" at 114.997,80.374 h1.52 r180
  text "GND" at 119.684,80.373 h1.52 r180
  text "GND" at 108.281,45.367 h1.52
  text "LED" at 113.452,45.366 h1.52
  text "4V6" at 118.553,45.374 h1.52
Mechanical 1:
  lines w1: 57.277,88 cw(c59.817,88) 59.817,90.54 ; 57.277,88.011 57.277,36.322 ccw(c59.817,36.322) 59.817,33.782 137.287,33.782 ccw(c137.287,36.322) 139.827,36.322 139.827,87.757 ; 60.071,90.551 137.287,90.551 ; 137.287,90.54 cw(c137.287,88) 139.827,88

## Text inside footprints (layer, text, board x,y; h text height)
J3: Top 3D Body "PCB Edge" at 75.114,89.349 h0.41 r180
U3: Mechanical 13 "ANTENNA" at 63.846,46.886 h1.78 r90